# Altium PCB Copy of CAN_ESP.PcbDoc (part 1 of 2)
Units mm, origin at the board's own origin, x right, y up, seen from the top; angles counter-clockwise.
Board outline 74.5 x 32.7 mm, 2 copper layers (Top Layer, Bottom Layer), stack 1.1 mm thick; 81 components, 81 nets, 370 pads, 358 vias.
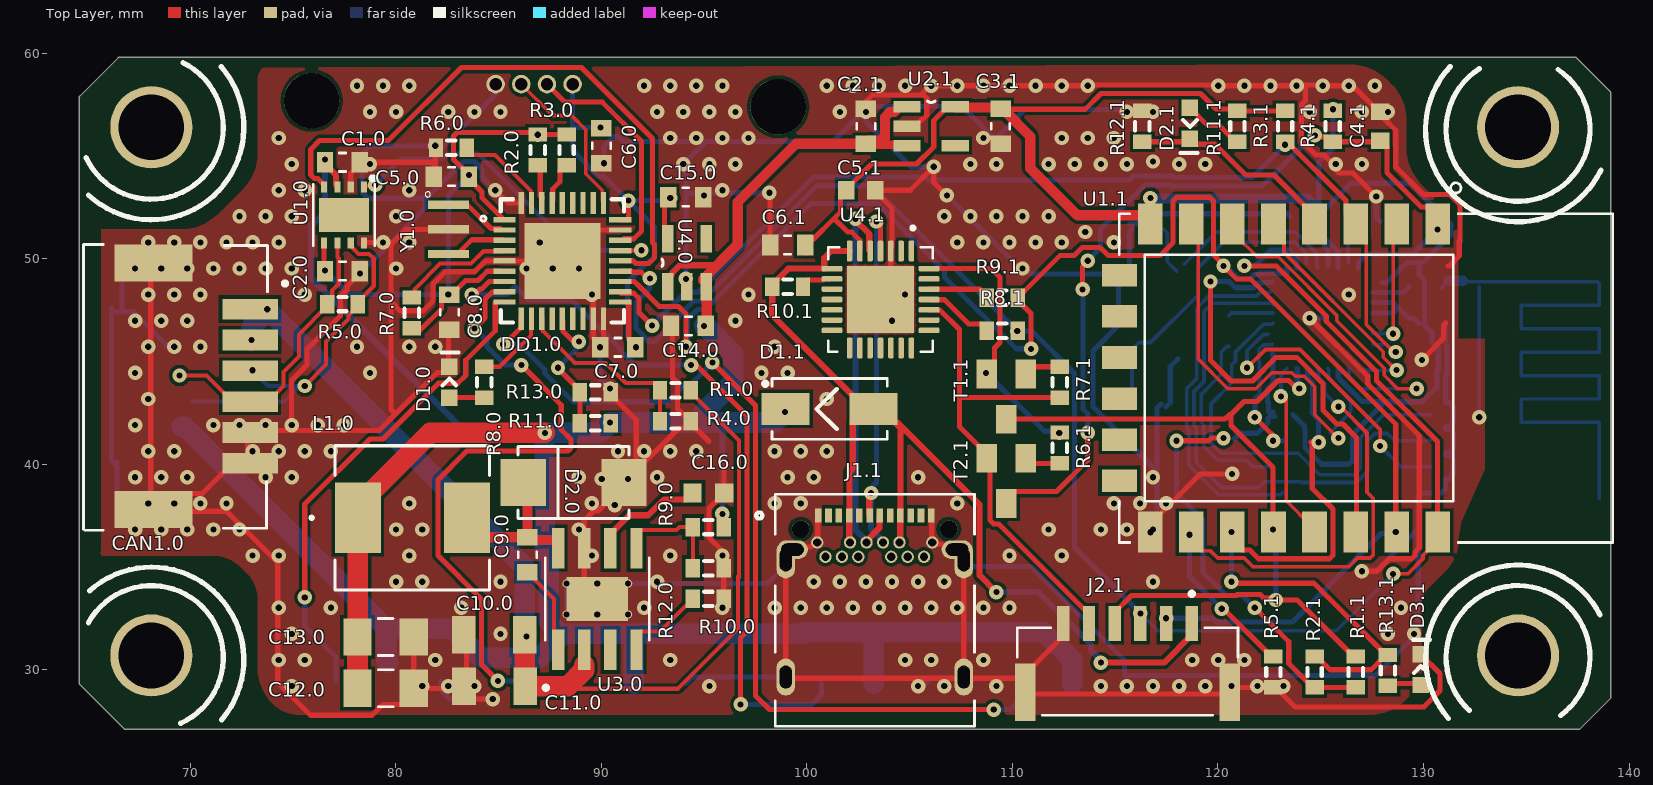
[diagram p0: Top Layer view]
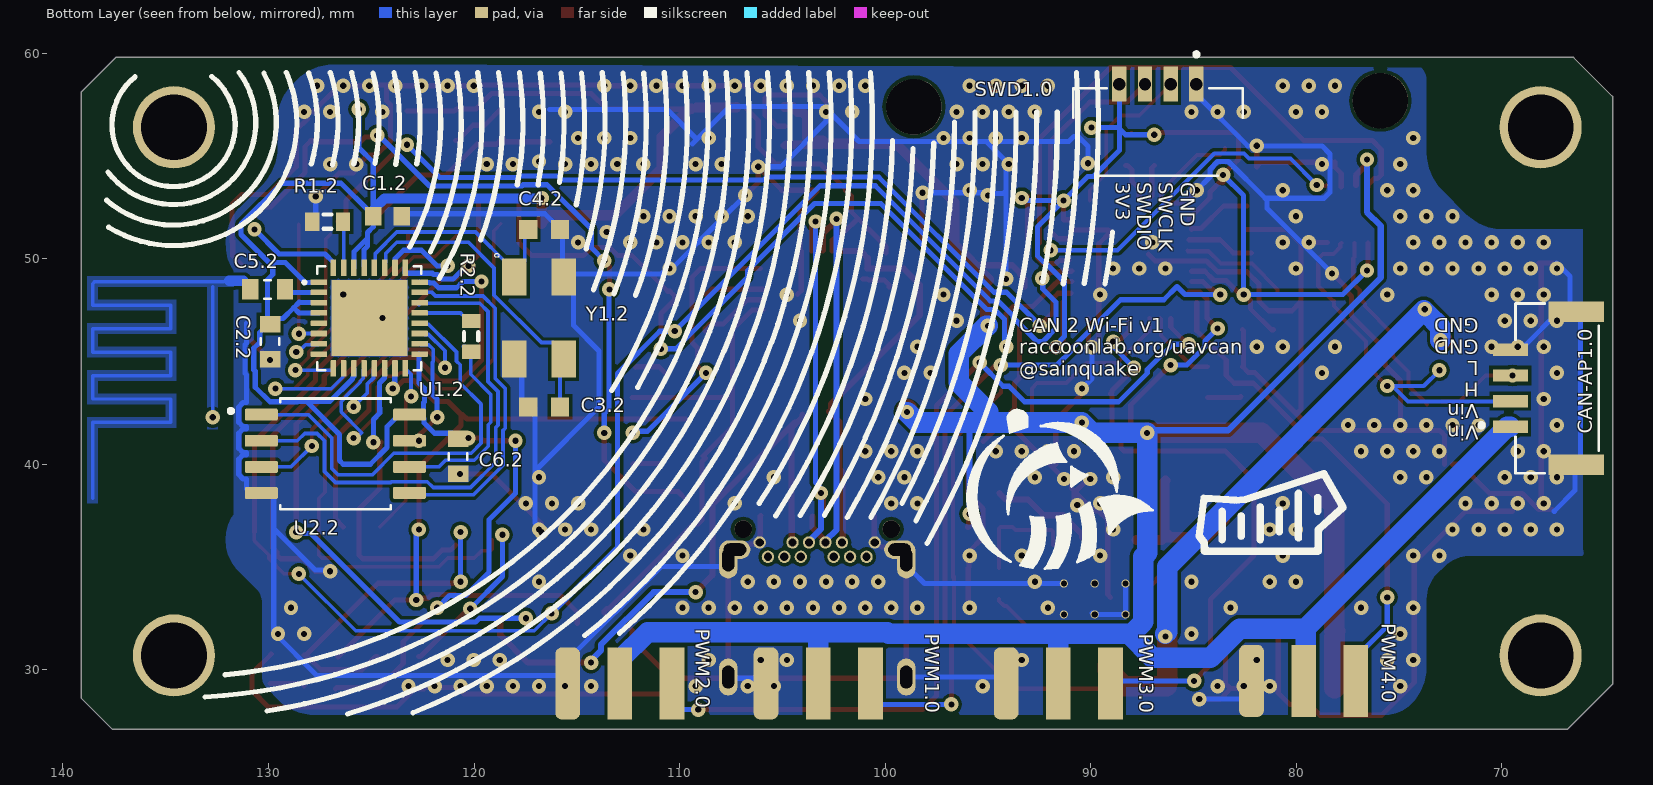
[diagram p1: Bottom Layer view, seen from below]

## Layer stack, top to bottom
Top Solder: solder mask 0.0102, Solder Resist, Dk 3.5
Top Layer: signal copper 0.05
Dielectric 1: dielectric 1, FR-4, Dk 4.8
Bottom Layer: signal copper 0.05
Bottom Solder: solder mask 0.0102, Solder Resist, Dk 3.5

## Board outline
64.6,29.3 66.8,27.1 110.1,27.1 137.59,27.1 139.1,28.61 139.1,58.131 137.431,59.8 66.5,59.8 64.6,57.9

## Design rules (kind name [scope] priority, off if disabled: settings)
BoardOutlineClearance [All] p1: gap=0.25 ignorepadtopadclearanceinfootprint=FALSE
Clearance [All] p1: gap=0.17 ignorepadtopadclearanceinfootprint=FALSE
ComponentClearance [All] p1: gap=0.254 collisioncheckmode=3 verticalgap=2540 showdistances=FALSE
FanoutControl Fanout_SOIC [IsSOIC] p3: bgadir=Out bgaviamode=Closest fanoutstyle=Auto fanoutdirection=Alternating viagrid=0.025 // Fanout_SOIC (Default Rule)
FanoutControl Fanout_Small [(CompPinCount < 5)] p4: bgadir=Out bgaviamode=Closest fanoutstyle=Auto fanoutdirection=OutThenIn viagrid=0.025 // Fanout_Small (Default Rule)
FanoutControl Fanout_Default [All] p5: bgadir=In bgaviamode=Closest fanoutstyle=Auto fanoutdirection=Alternating viagrid=0.025 // Fanout_Default (Default Rule)
HoleSize [All] p1: absolutevalues=TRUE maxlimit=4.5 minlimit=0.3 maxpercent=80.000 minpercent=20.000
HoleToHoleClearance [All] p1: gap=0.4 allowstackedmicrovias=TRUE
MinimumSolderMaskSliver [All] p1: minsoldermaskwidth=0.15
PlaneClearance [All] p1: clearance=0.2
PlaneConnect [All] p1: planeconnectstyle=Relief reliefexpansion=0.5 reliefentries=4 reliefconductorwidth=0.2 reliefairgap=0.25
PolygonConnect PolygonConnect_1 [InNet('GND')] p1: connectstyle=Direct reliefconductorwidth=0.254 reliefentries=4 polygonreliefangle="90 Angle" airgapwidth=0.254
PolygonConnect [All] p2: connectstyle=Relief reliefconductorwidth=0.3 reliefentries=4 polygonreliefangle="90 Angle" airgapwidth=0.16
RoutingCorners [All] p1: cornerstyle=45-Degree minsetback=2.5 maxsetback=2.5
RoutingPriority [All] p1 off: routingpriority=0
RoutingVias [All] p1: holewidth=0.3 width=0.7 viastyle="Through Hole" minholewidth=0.3 minwidth=0.7 maxholewidth=0.8 maxwidth=1.2
SilkToSilkClearance [All] p1: silktosilkclearance=0
SilkToSolderMaskClearance [IsPad] p1: minsilkscreentomaskgap=0 clearancetoexposedcopper=TRUE
SolderMaskExpansion [All] p1: expansion=0.1
Width [All] p1: maxlimit=5 minlimit=0.17 preferedwidth=0.3
17 further rules are at their usual default settings.

## Classes and differential pairs
component class sESP: C1.2 C2.2 C3.2 C4.2 C5.2 C6.2 R1.2 R2.2 U1.2 U2.2 Y1.2
component class ESP8266: C2.1 C3.1 C4.1 C5.1 C6.1 D1.1 D2.1 D3.1 J1.1 J2.1 R1.1 R2.1 R3.1 R4.1 R5.1 R6.1 R7.1 R8.1 R9.1 R10.1 R11.1 R12.1 R13.1 T1.1 T2.1 U1.1 U2.1 U4.1
component class CAN_ESP: C1.0 C2.0 C5.0 C6.0 C7.0 C8 C8.0 C9 C9.0 C10.0 C11.0 C12.0 C13.0 C14.0 C15.0 C16.0 CAN1.0 CAN-AP1.0 D1.0 D2.0 DD1.0 L1.0 PWM2.0 PWM3.0 PWM4.0 R1.0 R2.0 R3.0 R4.0 R5.0 R6.0 R7.0 R8.0 R9.0 R10.0 R11.0 R12.0 R13.0 SWD1.0 U1.0 U3 U3.0 U4.0 Y1.0

## Components (designator, comment, footprint, x,y, rotation, side; value= is the part's Value field where it differs from the comment)
C1.0 "GX035C104MAT2-500" *CAPC1608X90 77.4,54.7 r0 top value=0.1u
C1.2 "Cap Semi" 1608[0603] 124.206,52.07 r180 bottom value=1u
C2.0 "GX035C104MAT2-500" *CAPC1608X90 77.4,49.4 r0 top value=0.1u
C2.1 "GX035C104MAT2-500" *CAPC1608X90 102.87,56.45 r90 top value=0.1u
C2.2 "GX035C104MAT2-500" *CAPC1608X90 129.921,45.974 r270 bottom value=0.1u
C3.1 "GX035C104MAT2-500" *CAPC1608X90 109.422,56.45 r270 top value=0.1u
C3.2 "GRM1885C2A150JA01J" *CAPC1608X90N 116.586,42.799 r0 bottom value=15p
C4.1 "Cap Semi" 1608[0603] 127.892,56.45 r90 top value=1u
C4.2 "GRM1885C2A150JA01J" *CAPC1608X90N 116.586,51.435 r0 bottom value=15p
C5.0 "GX035C104MAT2-500" *CAPC1608X90 82.7,54 r180 top value=0.1u
C5.1 "Cap Semi" 1608[0603] 102.616,53.34 r0 top value=1u
C5.2 "GX035C104MAT2-500" *CAPC1608X90 130.048,48.514 r180 bottom value=5.6p
C6.0 "GX035C104MAT2-500" *CAPC1608X90 90,55.5 r270 top value=0.1u
C6.1 "GX035C104MAT2-500" *CAPC1608X90 99.06,50.673 r180 top value=0.1u
C6.2 "GX035C104MAT2-500" *CAPC1608X90 120.777,40.386 r270 bottom value=0.1u
C7.0 "GX035C104MAT2-500" *CAPC1608X90 90.8,45.7 r180 top value=0.1u
C8.0 "GX035C104MAT2-500" *CAPC1608X90 82.6,47.4 r270 top value=0.1u
C9.0 "GX035C104MAT2-500" *CAPC1608X90 86.4,35.6 r270 top value=0.1u
C10.0 "GRM31CR71H225KA88L" *CAP3216X125N 84.785,31.7 r180 top value=2.2u
C11.0 "GRM31CR71H225KA88L" *CAP3216X125N 84.8,29.2 r180 top value=2.2u
C12.0 "GRM31CR61A476KE15L" *CAPC3216X125N 79.5,29.1 r180 top value=47u
C13.0 "GRM31CR61A476KE15L" *CAPC3216X125N 79.5,31.6 r180 top value=47u
C14.0 "GX035C104MAT2-500" *CAPC1608X90 94.234,46.736 r180 top value=0.1u
C15.0 "GX035C104MAT2-500" *CAPC1608X90 94.1,53 r0 top value=0.1u
C16.0 "GRM188R71C105KA12D" CAPC1608X90N 95.2,38.6 r180 top value=1u
CAN1.0 "502585-0670" MOLEX_502585-0670 72.7,43.8 r270 top
CAN-AP1.0 "SM04B-GHS-TB(LF)(SN)-" JST_SM04B-GHS-TB(LF)(SN)- 67.3,43.7 r90 bottom
D1.0 "0603-LED-BLUE" *LEDM1608X80_LTE-C1906R-14(Primary) 82.6,44 r270 top
D1.1 "SS16" *DIOM5227X250N_SS16(Primary) 101.1,42.7 r0 top
D2.0 "SK56" *SMB_P6SMB62AT3G(Primary) 88.646,39.116 r180 top
D2.1 "0603-LED-BLUE" *LEDM1608X80_LTE-C1906R-14(Primary) 118.632,56.6 r90 top
D3.1 "0603-LED-BLUE" *LEDM1608X80_LTE-C1906R-14(Primary) 129.867,30.014 r270 top
DD1.0 "STM32F103T8" *QFN50P600X600X100-37N 88.1,49.9 r0 top
J1.1 "UJ31-CH-31N-SMT-TR" CUI_UJ31-CH-31N-SMT-TR 100.55,37.51 r0 top
J2.1 "BM06B-GHS-TBT(LF)(SN)(N)" *JST_BM06B-GHS-TBT(LF)(SN)(N)_BM06B-GHS-TBT(LF)(SN)(N)(Primary) 115.6,28.9 r0 top
L1.0 "IHLP2525CZER8R2M01" *IND_IHLP_2525_CZ 80.8,37.4 r0 top value=8.2u
PWM1.0 "PWM1" "HDR Side 3 pin" 103.251,29.337 r180 bottom
PWM2.0 "PWM4" "HDR Side 3 pin" 112.903,29.337 r180 bottom
PWM3.0 "PWM2" "HDR Side 3 pin" 91.567,29.337 r180 bottom
PWM4.0 "PWM3" "HDR Side 3 pin" 79.629,29.464 r180 bottom
R1.0 "Res3" J1-0603 93.6,43.6 r0 top value=180k
R1.1 "Res3" J1-0603 126.7,29.9 r270 top value=10k
R1.2 "RC0603FR-0710KL" J1-0603 127.127,51.816 r0 bottom value=12k
R2.0 "Res3" J1-0603 86.9,55.3 r90 top value=4.7k
R2.1 "Res3" J1-0603 124.7,29.9 r270 top value=10k
R2.2 "Res3" J1-0603 120.142,46.228 r270 bottom value=330
R3.0 "Res3" J1-0603 88.3,55.3 r90 top value=4.7k
R3.1 "Res3" J1-0603 123.262,56.45 r90 top value=10k
R4.0 "Res3" J1-0603 93.6,42.1 r180 top value=10k
R4.1 "Res3" J1-0603 125.577,56.45 r90 top value=10k
R5.0 "Res3" J1-0603 77.4,47.8 r0 top value=120
R5.1 "Res3" J1-0603 122.7,29.9 r270 top value=10k
R6.0 "RC0603FR-0710KL" J1-0603 82.7,55.4 r0 top value=10k
R6.1 "Res3" J1-0603 112.3,40.8 r270 top value=10k
R7.0 "RC0603FR-0710KL" J1-0603 80.772,47.371 r90 top value=10k
R7.1 "Res3" J1-0603 112.3,44 r90 top value=10k
R8.0 "Res3" J1-0603 84.3,44 r270 top value=330
R8.1 "Res3" J1-0603 109.5,46.5 r180 top value=330
R9.0 "Res3" J1-0603 95.2,36.95 r0 top value=56k
R9.1 "Res3" J1-0603 109.5,48.1 r180 top value=330
R10.0 "Res3" J1-0603 95.2,33.45 r180 top value=56k
R10.1 "Res3" J1-0603 99.06,48.641 r180 top value=4.7k
R11.0 "RC0603FR-0710KL" J1-0603 89.7,42 r0 top value=10k
R11.1 "Res3" J1-0603 120.947,56.45 r90 top value=330
R12.0 "RC0603FR-0710KL" J1-0603 95.2,34.95 r180 top value=10k
R12.1 "Res3" J1-0603 116.317,56.45 r90 top value=330
R13.0 "RC0603FR-0710KL" J1-0603 89.7,43.5 r180 top value=10k
R13.1 "Res3" J1-0603 128.27,29.972 r270 top value=330
SWD1.0 "BM04B-GHS-TBT(LF)(SN)(N)" JST_BM04B-GHS-holes 86.725,55.15 r180 bottom
T1.1 "BC847" SOT23 109.7,43.3 r180 top
T2.1 "BC847" SOT23 109.7,39.2 r180 top
U1.0 "TJA1042" SOT782-1 77.475,52.138 r180 top
U1.1 "ESP8266-12E/ESP-12E" XCVR_ESP8266-12E/ESP-12E 123.7,44.2 r270 top
U1.2 "ESP8266EX" QFN50P500X500X80-33N 125.095,47.117 r180 bottom
U2.1 "SPX3819M5-L-3-3/TR" *SOT95P280X145-5N 106.045,56.45 r0 top value=3V3
U2.2 "W25Q16BVSSIG" SOIC127P790X216-8N 126.746,40.513 r180 bottom
U3.0 "LMR16030SDDAR" "*SOIC127P600X170-9N - duplicate" 89.8,33.45 r90 top
U4.0 "SPX3819M5-L-3-3/TR" *SOT95P280X145-5N 94.158,49.809 r90 top value=3V3
U4.1 "CP2102N-A01-GQFN28" QFN50P500X500X80-29N 103.579,48.022 r270 top
Y1.0 "CSTCE8M00G55-R0" *OSC_CSTCE8M00G55-R0 82.55,51.435 r270 top
Y1.2 "ABM3B-8.000MHZ-B2-T" OSCSC500X320X110-4N 116.84,47.117 r180 bottom

## Footprints (in the part's own frame and the unit in brackets; to place one, negate y for a bottom-side part, rotate by r counter-clockwise, add the part's x,y. Pads: shape width x height; smd on the part's side, far side on the other; paste and mask are expansions set on the pad)
1608[0603] [mm] "Chip Capacitor, Body 1.6x0.8mm, IPC High Density"
  rect 0.8x0.9 smd: 1(-0.7,0) 2(0.7,0)
  body extent -0.87,-0.48 0.87,0.48, height 1.3
*CAP3216X125N [mm]
  rect 1.15x1.82 smd: 1(-1.485,0) 2(1.485,0)
  body extent -1.6,-0.8 1.6,0.8, height 1.22
*CAPC1608X90 [mm]
  rect 0.8x1 smd: 1(-0.85,0) 2(0.85,0)
  silkscreen extent -0.15,-0.45 0.15,0.45, body extent -0.8,-0.4 0.8,0.41, height 0.88
*CAPC1608X90N [mm]
  rect 0.89x0.93 smd: 1(-0.77,0) 2(0.77,0)
  body extent -0.8,-0.4 0.8,0.41, height 0.88
*CAPC3216X125N [mm]
  rect 1.38x1.82 smd: 1(-1.369,0) 2(1.369,0)
  silkscreen extent -0.36,-0.9 0.36,0.9, body extent -1.6,-0.87 1.6,0.87, height 1.71
*DIOM5227X250N_SS16(Primary) [mm]
  rect 2.33x1.56 smd: A(2.14,0) C(-2.14,0)
  silkscreen extent -3.22,-1.48 2.8,1.48, body extent -2.61,-1.35 2.61,1.25, height 2.2
*IND_IHLP_2525_CZ [mil]
  rect 88x135 smd: 1(-104.5,0) 2(104.5,0)
  silkscreen extent -196,-138 148,138, body extent -140,-130 140,130, height 118
*JST_BM06B-GHS-TBT(LF)(SN)(N)_BM06B-GHS-TBT(LF)(SN)(N)(Primary) [mm]
  rect 0.6x1.7 smd: 1(3.125,3.35) 2(1.875,3.35) 3(0.625,3.35) 4(-0.625,3.35) 5(-1.875,3.35) 6(-3.125,3.35)
  rect 1x2.8 smd: S1(-4.975,0) S2(4.975,0)
  silkscreen extent -5.38,-1.1 5.38,4.9, body extent -5.38,-1.1 5.38,3.85, height 3.88
*LEDM1608X80_LTE-C1906R-14(Primary) [mm]
  rect 0.8x0.8 smd: A(0.75,0) C(-0.75,0)
  silkscreen extent -1.45,-0.38 0.16,0.45, body extent -0.8,-0.3 0.8,0.3, height 1.15
*OSC_CSTCE8M00G55-R0 [mm]
  rect 0.4x2 smd: 1(-1.2,0) 2(0,0) 3(1.2,0)
  silkscreen extent -1.83,-1.13 -1.57,-0.87, body extent -1.6,-0.65 1.6,0.65, height 1
*QFN50P600X600X100-37N [mm]
  rect 1.08x0.26 smd: 1(-2.815,2) 2(-2.815,1.5) 3(-2.815,1) 4(-2.815,0.5) 5(-2.815,0) 6(-2.815,-0.5) 7(-2.815,-1) 8(-2.815,-1.5) 9(-2.815,-2) 19(2.815,-2) 20(2.815,-1.5) 21(2.815,-1) 22(2.815,-0.5) 23(2.815,0) 24(2.815,0.5) 25(2.815,1) 26(2.815,1.5) 27(2.815,2)
  rect 0.26x1.08 smd: 10(-2,-2.815) 11(-1.5,-2.815) 12(-1,-2.815) 13(-0.5,-2.815) 14(0,-2.815) 15(0.5,-2.815) 16(1,-2.815) 17(1.5,-2.815) 18(2,-2.815) 28(2,2.815) 29(1.5,2.815) 30(1,2.815) 31(0.5,2.815) 32(0,2.815) 33(-0.5,2.815) 34(-1,2.815) 35(-1.5,2.815) 36(-2,2.815)
  rect 3.7x3.7 smd: 37(0,0)
  silkscreen extent -3.97,-3 3,3, body extent -3,-3 3,3, height 1
*SMB_P6SMB62AT3G(Primary) [mm]
  rect 2.2x2.3 smd: A(-2.45,0) C(2.45,0)
  silkscreen extent -2.7,-1.75 2.7,1.75, body extent -2.72,-1.78 2.72,1.78, height 2.49
"*SOIC127P600X170-9N - duplicate" [mm]
  rect 1.97x0.6 smd: 1(-2.475,1.905) 2(-2.475,0.635) 3(-2.475,-0.635) 4(-2.475,-1.905) 5(2.475,-1.905) 6(2.475,-0.635) 7(2.475,0.635) 8(2.475,1.905)
  round 0.4 hole 0.3: 9(-0.75,1.5) 9(-0.75,0) 9(-0.75,-1.5) 9(0.75,1.5) 9(0.75,0) 9(0.75,-1.5)
  rect 2.13x3 smd: 9(0,0)
  silkscreen extent -4.42,-2.52 2,2.6, body extent -3,-2.45 3,2.45, height 1.69
*SOT95P280X145-5N [mil]
  rect 52x22 smd: 1(-46,37) 2(-46,0) 3(-46,-37) 4(46,-37) 5(46,37)
  silkscreen extent -7,46 7,48, body extent -55,-57 55,57, height 57
CAPC1608X90N [mm]
  rect 0.89x0.93 smd: 1(-0.77,0) 2(0.77,0)
  body extent -0.8,-0.4 0.8,0.4, height 0.9
CUI_UJ31-CH-31N-SMT-TR [mm]
  rect 0.32x0.7 smd: A1(0,0) A2(0.5,0) A3(1,0) A4(1.5,0) A5(2,0) A6(2.5,0) A7(3,0) A8(3.5,0) A9(4,0) A10(4.5,0) A11(5,0) A12(5.5,0)
  round 0.6 hole 0.4: B1(5.55,-1.31) B2(5.15,-2.01) B3(4.35,-2.01) B4(3.95,-1.31) B5(3.55,-2.01) B6(3.15,-1.31) B7(2.35,-1.31) B8(1.95,-2.01) B9(1.55,-1.31) B10(1.15,-2.01) B11(0.35,-2.01) B12(-0.05,-1.31)
  oval 1.5x0.9 hole 0.6 slot 1.1 at 0 deg: SH1(-1.255,-1.66) SH2(6.755,-1.66)
  oval 0.9x1.8 hole 0.6 slot 1.1 at 90 deg: SH3(-1.58,-2.16) SH4(7.08,-2.16) SH5(-1.58,-7.86) SH6(7.08,-7.86)
  round 0.85 hole 0.85 unplated: ""(-0.85,-0.66) ""(6.35,-0.66)
  silkscreen extent -3.02,-10.26 7.6,1.04, body extent -2.06,-10.26 7.64,1.04, height 3.17
"HDR Side 3 pin" [mm]
  rrect50% 1.2x3.5 smd: 1(-2.54,0)
  rect 1.2x3.5 smd: 2(0,0) 3(2.54,0)
  body extent -3.61,-10.34 3.61,0.83, height 1.67
J1-0603 [mm] "Chip Resistor, Body 1.6x0.8mm, IPC High Density"
  rect 0.7x0.9 smd: 1(-0.75,0) 2(0.75,0)
  silkscreen extent -0.2,-0.35 0.2,0.35, body extent -0.85,-0.48 0.85,0.48, height 0.9
JST_BM04B-GHS-holes [mm]
  rect 0.7x1.7 / inner rect 0.6x1.7 / far side round 0.9 hole 0.6: 1(1.875,3.35) 2(0.625,3.35) 3(-0.625,3.35) 4(-1.875,3.35)
  silkscreen extent -4.13,-1.1 4.13,4.9, body extent -4.12,-1.02 4.12,3.93, height 4.15
JST_SM04B-GHS-TB(LF)(SN)- [mm]
  rect 0.6x1.7 smd: 1(-1.875,2.275) 2(-0.625,2.275) 3(0.625,2.275) 4(1.875,2.275)
  rect 1x2.7 smd: SH1(-3.725,-0.925) SH2(3.725,-0.925)
  silkscreen extent -4.13,-2.02 4.13,3.77, body extent -4.06,-2.16 4.19,2.69, height 4.35
MOLEX_502585-0670 [mm]
  rect 1x2.7 smd: 1(-3.75,0.2) 2(-2.25,0.2) 3(-0.75,0.2) 4(0.75,0.2) 5(2.25,0.2) 6(3.75,0.2)
  rect 1.8x3.8 smd: P1(-6,-4.5) P2(6,-4.5)
  silkscreen extent -6.9,-7.9 7,2, body extent -6.65,-7.68 6.65,0.82, height 6.41
OSCSC500X320X110-4N [mm]
  rect 1.2x1.8 smd: 1(-1.2,2) 2(-1.2,-2) 3(1.2,-2) 4(1.2,2)
  silkscreen extent -2.15,2.95 -1.95,3.15, body extent -1.6,-1.25 1.6,1.25, height 1
QFN50P500X500X80-29N [mm]
  rrect50% 1.01x0.27 smd: 1(-2.36,1.5) 2(-2.36,1) 3(-2.36,0.5) 4(-2.36,0) 5(-2.36,-0.5) 6(-2.36,-1) 7(-2.36,-1.5) 15(2.36,-1.5) 16(2.36,-1) 17(2.36,-0.5) 18(2.36,0) 19(2.36,0.5) 20(2.36,1) 21(2.36,1.5)
  rrect50% 0.27x1.01 smd: 8(-1.5,-2.36) 9(-1,-2.36) 10(-0.5,-2.36) 11(0,-2.36) 12(0.5,-2.36) 13(1,-2.36) 14(1.5,-2.36) 22(1.5,2.36) 23(1,2.36) 24(0.5,2.36) 25(0,2.36) 26(-0.5,2.36) 27(-1,2.36) 28(-1.5,2.36)
  rect 3.25x3.25 smd paste-3: 29(0,0)
  silkscreen extent -3.55,-2.55 2.55,2.55, body extent -2.5,-2.5 2.5,2.5, height 0.38
QFN50P500X500X80-33N [mm]
  rrect15% 0.8x0.27 smd: 1(-2.45,1.75) 2(-2.45,1.25) 3(-2.45,0.75) 4(-2.45,0.25) 5(-2.45,-0.25) 6(-2.45,-0.75) 7(-2.45,-1.25) 8(-2.45,-1.75) 17(2.45,-1.75) 18(2.45,-1.25) 19(2.45,-0.75) 20(2.45,-0.25) 21(2.45,0.25) 22(2.45,0.75) 23(2.45,1.25) 24(2.45,1.75)
  rrect15% 0.27x0.8 smd: 9(-1.75,-2.45) 10(-1.25,-2.45) 11(-0.75,-2.45) 12(-0.25,-2.45) 13(0.25,-2.45) 14(0.75,-2.45) 15(1.25,-2.45) 16(1.75,-2.45) 25(1.75,2.45) 26(1.25,2.45) 27(0.75,2.45) 28(0.25,2.45) 29(-0.25,2.45) 30(-0.75,2.45) 31(-1.25,2.45) 32(-1.75,2.45)
  rect 3.7x3.7 smd paste-3: 33(0,0)
  silkscreen extent -3.24,-2.53 2.53,2.53, body extent -2.5,-2.5 2.5,2.5, height 0.9
SOIC127P790X216-8N [mm]
  rrect25% 1.61x0.58 smd: 1(-3.605,1.905) 2(-3.605,0.635) 3(-3.605,-0.635) 4(-3.605,-1.905) 5(3.605,-1.905) 6(3.605,-0.635) 7(3.605,0.635) 8(3.605,1.905)
  silkscreen extent -5.19,-2.69 2.69,2.69
SOT23 [mm]
  rect 1x1.4 smd: 1(-0.95,-1.1) 2(0.95,-1.1) 3(0,1.1)
  body extent -0.5,-0.3 0.5,0.3, height 0.45
SOT782-1 [mm]
  rect 0.3x0.525 smd: 1(-0.975,-1.362) 2(-0.325,-1.362) 3(0.325,-1.362) 4(0.975,-1.362) 5(0.975,1.362) 6(0.325,1.362) 7(-0.325,1.362) 8(-0.975,1.362)
  rect 2.45x1.65 smd paste-2: P$9(0,0)
  silkscreen extent -1.5,-1.88 1.5,1.5, body extent -1.52,-1.52 1.52,1.52, height 0.85
XCVR_ESP8266-12E/ESP-12E [mm]
  rect 2x1.2 smd: 1(-7.5,7) 2(-7.5,5) 3(-7.5,3) 4(-7.5,1) 5(-7.5,-1) 6(-7.5,-3) 7(-7.5,-5) 8(-7.5,-7) 15(7.5,-7) 16(7.5,-5) 17(7.5,-3) 18(7.5,-1) 19(7.5,1) 20(7.5,3) 21(7.5,5) 22(7.5,7)
  rect 1.1x1.7 smd: 9(-5,-8.5) 10(-3,-8.5) 11(-1,-8.5) 12(1,-8.5) 13(3,-8.5) 14(5,-8.5)
  silkscreen extent -9.5,-8.5 8,15.5, body extent -8,-8.7 8,15.3, height 3

## Part data
C1.0 C2.0 C2.1 C2.2 C3.1 C5.0 C5.2 C6.0 C6.1 C6.2 C7.0 C8.0 C9.0 C14.0 C15.0: "Cap Thin Film 0.1uf 50v 0603", Package="0603 AVX", MF=AVX, Pacage Metric=1608, SnapEDA_Link=https://www.snapeda.com/parts/GX035C104MAT2-500/AVX/view-part/?ref=snap, Type=SMD
  C1.0 C2.0 C2.2 C5.0 C5.2 C6.0 C6.1 C6.2 C7.0 C8.0 C9.0: MP="GX035C104MAT2-500 or CL10B104JB8NNNC"
  C2.1 C3.1 C14.0 C15.0: MP=GX035C104MAT2-500
C1.2 C4.1 C5.1: "Capacitor (Semiconductor SIM Model)", LatestRevisionDate=29-May-2009, LatestRevisionNote="IPC-7351 Footprint Added.", PackageDescription="Chip Capacitor", PackageReference=C1206, Published=8-Jun-2000, Publisher="Altium Limited"
C10.0 C11.0: "1206 2.2 uF 50 V ±10% Tolerance X7R SMT Multilayer Ceramic Capacitor", Package="1206 Murata", MF="Murata Electronics", MP=GRM31CR71H225KA88L, SnapEDA_Link=https://www.snapeda.com/parts/GRM31CR71H225KA88L/Murata%20Electronics%20North%20America/view-part/?ref=snap, Type=SMD
C12.0 C13.0: "Multilayer Ceramic Capacitor, GRM Series, 47 - F, - 10%, X5R, 10 V, 1206 [3216 Metric]", Package="1206 Murata Electronics", MF="Murata Electronics", MP=GRM31CR61A476KE15L, SnapEDA_Link=https://www.snapeda.com/parts/GRM31CR61A476KE15L/Murata%20Electronics%20North%20America/view-part/?ref=snap, Type=SMD
C16.0: "SMD Capacitor X7R(EIA) with Capacitance: 1.0uF Tol. 10%. Rated Voltage: 16Vdc", Package=0603, ChipDip_Link=https://www.chipdip.ru/product/grm188r71c105ka12d, HelpURL=https://static.chipdip.ru/lib/428/DOC005428493.pdf, MF="Murata Electronics", MP=GRM188R71C105KA12D, Pacage Metric=1608, SnapEDA_Link=https://www.snapeda.com/parts/GRM188R71C105KA12D/Murata%20Electronics%20North%20America/view-part/228340/?ref=snap, Type=SMD
CAN1.0: "1.50mm Pitch, CLIK-Mate PCB Receptacle, Single Row, Surface Mount, Right-Angle, Tin Plating, Positive Lock, 6 Circuits, Natural", Package=None, MF=Molex, MP=502585-0670, SnapEDA_Link=https://www.snapeda.com/parts/502494-0670/Molex/view-part/?ref=snap, System=Connector, Type=SMD
CAN-AP1.0: "Connector Header Surface Mount, Right Angle 4 position 0.049 _1.25mm_", Package=None, ChipDip_Link=https://www.chipdip.ru/product/sm04b-ghs-tb-lf-sn-gh-1.25mm-header-side-ent, HelpURL=http://www.farnell.com/datasheets/2082975.pdf, MF="JST Sales", MP=SM04B-GHS-TB(LF)(SN), SnapEDA_Link=https://www.snapeda.com/parts/SM04B-GHS-TB%28LF%29%28SN%29-/JST%20Sales%20America%20Inc./view-part/2759740/?ref=snap, System=Connector
D1.0 D2.1 D3.1: library part LTE-C1906R-14, "LED IrLED Chip LED 2-Pin SMD T/R", Package="0603 Lite-On", MP=0603-LED-BLUE, SnapEDA_Link=https://www.snapeda.com/parts/LTE-C1906R-14/Lite-On%20Inc./view-part/?ref=snap, Type=SMD
D1.1: "Diode Schottky 60V 1A Surface Mount SMA", Package=SMA-2, ChipDip_Link=https://www.chipdip.ru/product/ss16, MP=SS16, SnapEDA_Link=https://www.snapeda.com/parts/SS16/ON%20Semiconductor/view-part/?ref=search&t=ss16, Type=SMD
D2.0: "Диод Шоттки 5А 60В [SMB / DO-214AA]", Package="DO-214 Littelfuse", ChipDip_Link=https://www.chipdip.ru/product/sk56, MF="Littelfuse Inc.", MP=SK56, SnapEDA_Link=https://www.snapeda.com/parts/P6SMB62AT3G/Littelfuse%20Inc./view-part/?ref=snap, Type=SMD
DD1.0: "STM32F103T8U6, Микроконтроллер 32BIT ARM 64K FLASH [VFQFPN-36]", Package=VFQFPN-36, ChipDip_Link=https://www.chipdip.ru/product/stm32f103t8u6-2, HelpURL=http://www.st.com/stonline/products/literature/ds/13587.pdf, MF=STM, MP=STM32F103T8U6, SnapEDA_Link=https://www.snapeda.com/parts/STM32F103T8U6TR/STMicroelectronics/view-part/?ref=search&t=STM32F103T8U6, Type=SMD
J1.1: "Type C, USB 3.1 Gen 2, 5 A, Right Angle, Surface Mount _SMT_, USB Receptacle", Package=None, Availability=Unavailable, ChipDip_Link=https://www.chipdip.ru/product1/8002862225, HelpURL=https://www.chipdip.ru/product1/8002862225, MF="CUI Devices", MP=UJ31-CH-31N-SMT-TR, Price=None, SnapEDA_Link=https://www.snapeda.com/parts/UJ31-CH-31N-SMT-TR/CUI%20Devices/view-part/2776725/?ref=snap
J2.1: "Conn Header Gh Top 6pos 1.25mm", Package=None, Availability=Unavailable, MF="JST Sales", MP=BM06B-GHS-TBT_LF__SN__N_, Price=None, SnapEDA_Link=https://www.snapeda.com/parts/BM06B-GHS-TBT%28LF%29%28SN%29%28N%29/JST%20Sales%20America%20Inc./view-part/?ref=snap
L1.0: "IHLP2525CZER8R2M01, 8.2uH 4A 20% Low Profile High Current SMT Inductor, Индуктивность", Package="Nonstandard Vishay", Availability=Unavailable, MF="Vishay Dale", MP=IHLP2525CZER8R2M01, Price=None, SnapEDA_Link=https://www.snapeda.com/parts/IHLP2525CZER100M01/Vishay%20Dale/view-part/?ref=snap
PWM1.0 PWM2.0 PWM3.0 PWM4.0: library part "Header 3", "Header, 4-Pin", ChipDip_Link=https://www.chipdip.ru/product/pls-3, HelpURL=https://static.chipdip.ru/lib/227/DOC000227157.pdf, MF="Connfly electronic (Zhenqin)", MP="PLS-3 (DS1021-1x3)", System=Connector, Type=SMD
R1.0 R1.1 R2.0 R2.1 R2.2 R3.0 R3.1 R4.0 R4.1 R5.1 R6.1 R7.1 R8.0 R8.1 R9.0 R9.1 R10.0 R10.1 R11.1 R12.1 R13.1: "Resistor", Package=R0603, Pacage Metric=1608, Type=SMD
  R1.0: MP="180K 1% 0603"
  R1.1 R2.1 R3.1 R4.0 R4.1 R5.1 R6.1 R7.1: ChipDip_Link=https://www.chipdip.ru/product0/9000079736, HelpURL=https://www.chipdip.ru/product0/9000079736, MP="10K 1% 0603"
  R2.0 R3.0 R10.1: ChipDip_Link=https://www.chipdip.ru/product0/9000079736, HelpURL=https://www.chipdip.ru/product0/9000079736, MP="4.7K 1% 0603"
  R2.2 R8.0 R8.1 R9.1 R11.1 R12.1 R13.1: ChipDip_Link=https://www.chipdip.ru/product0/9000079628, HelpURL=https://www.chipdip.ru/product0/9000079628, MP=RC0603FR-07330RL
  R9.0 R10.0: ChipDip_Link=https://www.chipdip.ru/product0/9000079754, HelpURL=https://www.chipdip.ru/product0/9000079754, MP=RC0603FR-0756KL
R1.2 R6.0 R7.0 R11.0 R12.0 R13.0: "10 kOhms 1 0.1 W 1 10 W Chip Resistor 0603 1608 Metric Thick Film", Package=R0603, ChipDip_Link=https://www.chipdip.ru/product0/9000079736, HelpURL=https://www.chipdip.ru/product0/9000079736, MF="Yageo or NXP", MP="10K 1% 0603", Pacage Metric=1608, SnapEDA_Link=https://www.snapeda.com/parts/RC0603FR-0710KL/Yageo/view-part/?ref=dk&t=RC0603FR-0710KL&con_ref=None, Type=SMD
R5.0: "120 Ohms 1 0.1 W 1 10 W Chip Resistor 0603 1608 Metric Thick Film", Package=R0603, ChipDip_Link=https://www.chipdip.ru/product0/9000079618, HelpURL=https://www.chipdip.ru/product0/9000079618, MP=RC0603FR-07120RL, Pacage Metric=1608, Type=SMD
SWD1.0: "Conn Shrouded Header HDR 4 POS 1.25mm Solder ST SMD Reel", Package=None, Instructions="Do not install", MF="JST Sales", MP=SM04B-GHS-TB(LF)(SN), SnapEDA_Link=https://www.snapeda.com/parts/BM04B-GHS-TBT%28LF%29%28SN%29%28N%29/JST%20Sales%20America%20Inc./view-part/?ref=snap, System=Connector, Type=SMD
T1.1 T2.1: "<b>NPN TRANSISTOR</b>", Package=None, Availability=Unavailable, MF="{'manufacturer': u'Rectron'}", MP=BC847, Price=None
U1.0: "1/1 Transceiver Half CANbus 8-SO", Package="VDFN-8 NXP USA", ChipDip_Link=https://www.chipdip.ru/product1/8002840332, HelpURL=https://static.chipdip.ru/lib/583/DOC001583059.pdf, MF="NXP USA", MP=TJA1042, SnapEDA_Link=https://www.snapeda.com/parts/TJA1042/NXP%20USA%20Inc./view-part/900919/?ref=snap, Type=SMD
U1.1: "ESP-12E WiFi Module", Package=None, Availability=Unavailable, MF="{'manufacturer': u'AI-Thinker'}", MP=ESP8266-12E/ESP-12E, Price=None
U1.2: "IC RF TxRx + MCU WiFi 802.11b/g/n 2.4GHz 32-VFQFN Exposed Pad", Package="VFQFN-32 Espressif Systems", Availability=Warning, Check_prices=https://www.snapeda.com/parts/ESP8266EX/Espressif%20Systems/view-part/555861/?ref=eda, MF="Espressif Systems", MP=ESP8266EX, Price=None, Purchase-URL=https://pricing.snapeda.com/search/part/ESP8266EX/?ref=eda, SnapEDA_Link=https://www.snapeda.com/parts/ESP8266EX/Espressif%20Systems/view-part/555861/?ref=snap
U2.1 U4.0: library part SPX3819M5-L, "Low Dropout Voltage Regulator, Adjustable 0.5A, ±1%, 2.5 to 16 Vin, 5-Pin SOT-23", Package="SOT-23-5 Exar", ChipDip_Link=https://www.chipdip.ru/product1/8003455237, HelpURL=http://www.farnell.com/datasheets/2614478.pdf, MF="MaxLinear, Inc.", MP=SPX3819M5-L-3-3/TR, SnapEDA_Link=https://www.snapeda.com/parts/SPX3819M5-L/MaxLinear%2C%20Inc./view-part/?ref=snap, Type=SMD
U2.2: "Flash, pin, soic, flash, Memory, Semiconductors and Actives, serial, ic", Package=None, Availability=Unavailable, MF="{'manufacturer': u'Winbond'}", MP=W25Q16BVSSIG, Price=None
U3.0: "LMR16030SDDAR, Conv DC-DC 4.3V to 60V Step Down Single-Out 1V to 50V 3A Automotive 8-Pin HSOP EP T/R", Package="PowerSOIC-8 Texas Instruments", ChipDip_Link=https://www.chipdip.ru/product1/8003448566, HelpURL=https://www.ti.com/lit/ds/symlink/lmr16030.pdf, MF="Texas Instruments", MP=LMR16030SDDAR, SnapEDA_Link=https://www.snapeda.com/parts/TPS54560DDA/Texas%20Instruments/view-part/?ref=snap, Type=SMD
U4.1: "Ic Bridge Usb To Uart 28qfn", Package=None, Availability=Unavailable, MF="{'manufacturer': u'Silicon Labs'}", MP=CP2102N-A01-GQFN28, Price=None
Y1.0: "Ceramic Resonator 8MHz ??0.5% _Tol_ ??0.2% _Stability_ 33pF 40Ohm 3-Pin CSMD T/R", Package="SMD-3 Murata", ChipDip_Link=https://www.chipdip.ru/product1/8001783721, HelpURL=https://www.murata.com/en-eu/api/pdfdownloadapi?cate=&partno=CSTCE8M00G55-R0, MF=Murata, MP=CSTCE8M00G55-R0, SnapEDA_Link=https://www.snapeda.com/parts/CSTCE8M00G55-R0/Murata%20Electronics%20North%20America/view-part/?ref=snap, Type=SMD
Y1.2: "Crystal 8MHz ±20ppm (Tol) ±50ppm (Stability) 18pF FUND 200Ohm 4-Pin CSMD T/R", Package=None, Availability=Unavailable, MF="{'manufacturer': u'Abracon'}", MP=ABM3B-8.000MHZ-B2-T, Price=None
C3.2 C4.2: ChipDip_Link=https://www.chipdip.ru/product/grm1885c2a150j, HelpURL=https://static.chipdip.ru/lib/428/DOC005428493.pdf, SnapEDA_Link=https://www.snapeda.com/parts/GRM1885C2A150JA01J/Murata/view-part/1812122/?ref=snap

## Free pads (board coordinates)
  round 4 hole 3.2: ""(68.1,30.7) ""(68.1,56.4) ""(134.6,30.7) ""(134.6,56.4)
  round 2.7 hole 2.7: ""(75.9,57.7) ""(98.6,57.4)

## Via types
v1: diameter 0.7, hole 0.3, Top Layer to Bottom Layer, tented both sides, 358 vias

## Nets (pads, with @x,y where several pads share a name; then routed paths per layer and width w, separated by ;. In a path a pad name is that pad's centre, name@x,y a point inside that pad or via, vN(x,y) a via of type N, cw(c..) or ccw(c..) an arc to the next point about the centre after c; other vN are vias at no path point)
3.3: C2.0.1 C5.0.1 C6.0.1 C7.0.1 C8.0.1 C15.0.1 DD1.0.1 DD1.0.6 DD1.0.19 DD1.0.27 R2.0.2 R3.0.2 R7.0.1 SWD1.0.4 U1.0.5 U4.0.5 | length 56.1
  Top Layer w0.25: C2.0.1@76.454,49.403 76.5,49.449 U1.0.5@76.5,50.775 ; C2.0.1@76.55,49.4 v1(76.55,49.434) ; R7.0.1@81.1,46.55 81.2,46.55 82.225,47.575 82.225,47.975 C8.0.1@82.383,48.133 ; C8.0.1@82.6,48.25 82.7,48.25 83.4,48.95 83.999,48.95 84.444,49.395 85.082,49.395 DD1.0.6@85.087,49.4 ; C5.0.1@83.55,54 v1(83.55,54.086) ; C5.0.1@83.557,54.093 82.999,54.651 82.982,54.651 82.805,54.828 82.805,55.972 82.978,56.145 86.805,56.145 R2.0.2@86.9,56.05 87.975,56.05 R3.0.2@88.011,56.086 ; C5.0.1@83.566,53.721 83.566,53.884 C5.0.1@83.566,54 ; C5.0.1@83.647,53.802 84.191,53.259 84.191,52.969 DD1.0.1@85.217,51.943 ; DD1.0.27@90.915,51.9 91.308,51.9 91.313,51.905 v1(91.313,52.832) ; DD1.0.19@91.325,47.9 91.33,47.895 91.33,46.084 91.694,45.72 C7.0.1@91.694,45.593 ; C7.0.1@91.65,45.7 v1(91.674,45.7) ; U4.0.5@93.06,50.968 C15.0.1@93.06,53.055
  Bottom Layer w0.25: v1(76.55,49.434) 77.724,48.26 v1(82.55,48.26) 82.55,53.086 v1(83.55,54.086) ; v1(86.9,56.039) 88.297,56.039 88.6,56.342 ; SWD1.0.4@88.6,58.5 88.6,56.342 ; v1(89.962,56.388) 88.646,56.388 88.6,56.342 ; v1@91.435,52.832 93.218,52.832 v1(93.345,52.959) ; v1(91.674,45.7) 91.674,45.822 91.264,46.232 91.264,48.869 92.09,49.696 92.137,49.696 92.589,50.148 92.589,51.556 90.14,54.005 89.863,54.005 88.6,55.268 88.6,56.342
3.3ESP: C1.2.1 C2.2.1 C3.1.1 C5.1.1 C6.1.1 C6.2.1 R1.1.2 R2.1.2 R3.1.2 R4.1.2 R11.1.2 U1.1.8 U1.2.1 U1.2.3 U1.2.4 U1.2.11 U1.2.17 U1.2.29 U1.2.30 U2.1.5 U2.2.8 U4.1.6 | length 121.5
  Top Layer w0.25: C6.1.1@99.949,50.292 99.949,50.599 101.641,52.291 101.641,53.065 C5.1.1@101.916,53.34 101.916,53.39 103.136,54.61 105.333,54.61 106.169,55.445 106.169,56.726 106.807,57.364 U2.1.5@106.807,57.404 ; 101.346,51.943 101.991,51.298 102.181,51.298 102.569,50.91 102.569,50.392 U4.1.6@102.579,50.382 ; C3.1.1@109.545,57.277 113.538,57.277 114.306,58.045 119.154,58.045 119.902,57.297 120.85,57.297 R11.1.2@120.947,57.2 R3.1.2@123.262,57.2 ; v1(117.983,41.148) 119.544,41.148 119.671,41.275 v1(120.269,41.275) ; v1(121.793,33.02) 123.445,31.368 123.445,30.305 124.6,29.15 R2.1.2@124.7,29.15 126.679,29.15 R1.1.2@126.746,29.083
  Top Layer w0.5: U2.1.5@107.213,57.39 107.243,57.36 C3.1.1@109.176,57.36 ; C3.1.1@109.422,57.3 109.522,57.3 109.545,57.277 110.867,55.955 110.867,54.414 113.161,52.12 116.35,52.12 116.7,51.77 U1.1.8@116.7,51.7 ; U1.1.8@116.7,51.816 116.707,51.822 116.707,52.953 v1(116.713,52.959)
  Bottom Layer w0.25: v1(117.983,41.148) 117.983,38.596 119.263,37.316 119.263,34.765 120.408,33.62 121.193,33.62 v1(121.793,33.02) ; C6.2.1@120.777,41.236 121.052,41.511 121.925,41.511 122.438,42.024 122.438,42.23 122.528,42.32 U2.2.8@122.78,42.32 ; U1.2.17@122.645,45.367 122.662,45.367 122.672,45.357 122.672,43.955 122.418,43.701 122.418,43.04 122.461,42.997 122.461,42.583 122.499,42.545 U2.2.8@122.682,42.545 ; U2.2.8@123.656,42.418 124.241,41.833 124.241,40.815 125.051,40.005 126.365,40.005 126.544,40.184 126.544,41.454 128.143,43.053 ; 124.906,51.562 125.181,51.287 125.181,50.617 125.345,50.453 125.345,49.661 U1.2.29@125.349,49.657 ; C1.2.1@124.906,52.07 124.906,54.698 125.603,55.395 v1(125.603,57.277) ; C1.2.1@125.11,52.324 126.466,53.68 129.35,53.68 131.341,51.689 131.341,51.181 129.981,49.821 129.794,49.821 ; 125.222,50.927 125.26,50.927 125.845,50.342 U1.2.30@125.845,49.567 ; U1.2.11@125.845,44.667 125.855,44.657 125.855,44.267 125.915,44.207 125.915,44.157 127.019,43.053 128.143,43.053 ; U1.2.4@127.545,47.367 128.52,47.367 128.774,47.621 ; U1.2.3@127.545,47.867 128.512,47.867 128.52,47.875 ; 127.995,48.857 128.224,48.857 129.188,49.821 129.794,49.821 ; 128.503,47.892 128.52,47.875 ; C2.2.1@129.794,46.851 129.546,47.099 129.296,47.099 128.774,47.621 ; C2.2.1@130.048,46.797 130.429,46.416 130.429,45.933 130.716,45.646 130.716,44.602 130.644,44.53 130.644,43.753 129.934,43.043 128.599,43.043 128.589,43.053 128.143,43.053 ; C2.2.1@130.048,46.863 130.048,48.981 129.794,49.235 129.794,49.821 ; 128.52,47.875 128.774,47.621
  Bottom Layer w0.5: v1(116.713,52.959) 116.732,52.94 124.352,52.94 C1.2.1@124.841,52.451
5V: C1.0.1 C2.1.1 C12.0.2 C13.0.2 C14.0.1 CAN-AP1.0.1 D1.1.C L1.0.1 PWM1.0.2 PWM2.0.2 PWM3.0.2 PWM4.0.2 R9.0.2 R11.0.2 U1.0.3 U2.1.1 U2.1.3 U4.0.1 U4.0.3 | length 152.2
  Top Layer w0.3: v1(76.55,54.833) C1.0.1@76.55,54.7 76.55,54.6 77.089,54.061 U1.0.3@77.089,53.594 ; U4.0.1@93.218,48.641 93.218,49.022 93.437,49.241 93.437,49.313 93.816,49.692 95.469,49.692 95.504,49.657 ; v1(95.885,37.592) 95.918,37.559 95.918,36.982 R9.0.2@95.95,36.95
  Top Layer w0.4: C2.1.1@102.997,55.626 103.068,55.555 104.832,55.555 U2.1.3@104.877,55.51
  Top Layer w0.5: U4.0.3@94.94,48.951 94.94,49.013 96.634,50.706 96.634,52.765 99.469,55.6 C2.1.1@102.844,55.6 ; v1(94.996,46.736) 95.123,46.863 U4.0.3@95.123,48.39 ; C2.1.1@102.87,55.6 103.02,55.75 103.573,55.75 103.716,55.893 103.796,55.893 103.796,56.903 104.042,57.149 104.255,57.149 104.496,57.39 U2.1.1@104.877,57.39
  Top Layer w1: C13.0.2@78.105,31.877 78.138,31.91 78.138,37.393 L1.0.1@78.146,37.4 78.146,37.997 81.678,41.529 v1(87.249,41.529) ; C12.0.2@78.131,29.109 C13.0.2@78.131,31.6 ; v1(98.933,42.545) D1.1.C@98.933,42.672
  Bottom Layer w0.3: v1(76.55,54.833) 76.55,52.276 75.88,51.606 75.88,49.088 83.312,41.656 87.014,41.656 87.064,41.606 87.072,41.606 v1@87.122,41.656 ; v1(95.885,37.592) 95.885,41.783
  Bottom Layer w1: CAN-AP1.0.1@69.575,41.825 69.725,41.825 79.529,32.021 79.529,30.453 PWM4.0.2@79.629,30.353 ; 79.756,32.004 82.751,32.004 84.175,30.58 86.972,30.58 88.149,31.757 99.811,31.757 99.891,31.837 111.553,31.837 112.903,30.487 PWM2.0.2@112.903,29.337 ; 87.757,32.004 87.43,32.331 87.43,35.51 87.249,35.691 v1(87.249,41.529) 89.916,41.529 v1(90.424,42.037) 94.869,42.037 ; PWM3.0.2@91.567,29.337 91.567,31.75 ; v1(94.996,46.736) 95.065,46.736 96.42,45.38 96.42,43.986 94.985,42.551 94.985,42.153 94.869,42.037 ; v1(98.933,42.545) 98.425,42.037 94.869,42.037 ; PWM1.0.2@103.251,29.337 103.251,31.75
ADC: U1.1.2 U1.2.6 | length 6.3
  Top Layer w0.18: v1(128.524,46.355) U1.1.2@128.524,51.689
  Bottom Layer w0.18: U1.2.6@127.545,46.367 128.512,46.367 v1(128.524,46.355)
ADC_5V: DD1.0.14 R11.0.1 R13.0.2 | length 6.3
  Top Layer w0.25: v1(87.884,44.704) 87.884,44.666 88.95,43.6 R13.0.2@88.95,43.5 ; DD1.0.14@88.138,46.99 88.138,46.46 88.538,46.06 88.814,46.06 v1(88.9,45.974) ; R11.0.1@88.95,42 88.95,43.357 R13.0.2@89.027,43.434
  Bottom Layer w0.25: v1(87.884,44.704) 88.923,45.743 88.923,45.951 v1(88.9,45.974)
ADC_VIN: DD1.0.12 R1.0.1 R4.0.2 | length 9
  Top Layer w0.2: DD1.0.12@87.122,47.117 87.13,47.109 87.13,46.503 88.703,44.93 90.202,44.93 91.182,43.95 92.6,43.95 92.85,43.7 R1.0.1@92.85,43.6 92.85,42.177 R4.0.2@92.837,42.164
ANT: C5.2.1 | length 47.5
  Bottom Layer w0.17: C5.2.1@130.898,48.514 130.898,48.614 C5.2.1@131.213,48.929 ; 132.207,48.895 138.457,48.895 138.557,48.795 138.557,47.752 134.747,47.752 134.747,46.609 138.557,46.609 138.557,45.466 134.747,45.466 134.747,44.323 138.557,44.323 138.557,43.18 134.747,43.18 134.747,42.037 138.557,42.037 138.557,38.354 ; 132.715,42.037 132.715,48.641
  Bottom Layer w0.5: C5.2.1@131.213,48.929 131.919,48.929
BOOT0: DD1.0.35 R6.0.2 | length 4.5
  Top Layer w0.2: R6.0.2@83.45,55.4 83.45,55.3 83.7,55.05 84.817,55.05 86.57,53.297 86.57,52.876 DD1.0.35@86.614,52.832
CAN_H: CAN1.0.3 CAN-AP1.0.2 R5.0.2 U1.0.7 | length 17.4
  Top Layer w0.2: v1(75.565,43.815) 76.606,44.856 76.606,45.98 77.69,47.064 77.69,47.24 78.15,47.7 R5.0.2@78.15,47.8 ; U1.0.7@77.8,50.775 77.85,50.725 77.85,50.581 78.188,50.243 78.689,50.243 78.92,50.012 78.92,48.67 78.195,47.945 R5.0.2@78.15,47.945
  Bottom Layer w0.2: CAN-AP1.0.2@70.104,43.053 74.549,43.053 v1@75.311,43.815 ; v1(73.025,44.577) 73.787,43.815 v1@75.311,43.815 ; v1(75.565,43.815) v1@75.311,43.815
CAN_L: CAN1.0.4 CAN-AP1.0.3 R5.0.1 U1.0.6 | length 13.2
  Top Layer w0.2: v1(69.469,44.323) 70.777,44.323 72.05,43.05 CAN1.0.4@72.9,43.05 ; CAN1.0.4@73.626,42.926 74.52,43.82 74.52,44.495 75.275,45.25 75.275,46.325 76.65,47.7 R5.0.1@76.65,47.8 ; R5.0.1@76.708,47.879 76.9,48.071 76.9,48.468 77.22,48.788 77.22,50.012 77.15,50.082 U1.0.6@77.15,50.775
CAN_RXD: DD1.0.23 U1.0.4 | length 29.5
  Top Layer w0.25: U1.0.4@76.5,53.5 76.5,53.613 76.211,53.901 76.032,53.901 75.855,54.078 75.855,55.322 76.286,55.753 79.629,55.753 83.185,59.309 89.027,59.309 92.486,55.85 92.486,50.786 92.589,50.682 92.589,50.057 92.302,49.77 91.677,49.77 91.536,49.911 DD1.0.23@91.059,49.911
CAN_TXD: DD1.0.24 U1.0.1 | length 17.1
  Top Layer w0.2: U1.0.1@78.486,53.594 78.486,53.561 78.5,53.547 78.947,53.547 v1(78.994,53.594) ; DD1.0.24@90.915,50.4 91.929,50.4 v1(91.944,50.415)
  Bottom Layer w0.2: v1(78.994,53.594) 80.279,54.879 82.288,54.879 82.535,55.126 83.981,55.126 88.688,50.419 91.94,50.419 v1(91.944,50.415)
CS0: U1.1.9
D+: J1.1.A6 J1.1.B6 U4.1.4 | length 18.5
  Top Layer w0.25: v1(103.378,51.816) 103.579,51.615 U4.1.4@103.579,50.382
  Top Layer w0.3: J1.1.A6@103.03,37.592 103.03,38.514 v1(103.124,38.608)
  Bottom Layer w0.25: v1@102.997,38.735 103.002,38.735 103.378,39.111 v1(103.378,51.816)
  Bottom Layer w0.3: v1(103.124,38.608) 103.124,36.853 103.7,36.277 J1.1.B6@103.7,36.2
D-: J1.1.A7 J1.1.B7 U4.1.5 | length 19.3
  Top Layer w0.3: v1(102.362,51.943) 102.362,51.884 103.034,51.212 U4.1.5@103.034,50.419 ; J1.1.B7@102.9,36.2 102.9,36.277 103.53,36.907 J1.1.A7@103.53,37.465
  Bottom Layer w0.3: v1(102.362,51.943) 102.362,36.819 102.9,36.281 J1.1.B7@102.9,36.2
EN: DD1.0.20 R3.1.1 U1.1.3 U1.2.7 | length 50.4
  Top Layer w0.18: U1.1.3@127,51.181 127.21,50.971 127.21,46.806 128.55,45.466 v1(128.651,45.466)
  Top Layer w0.25: DD1.0.20@90.955,48.325 91.577,48.325 91.821,48.081 91.821,47.394 v1(92.464,46.751) ; v1(123.262,55.554) R3.1.1@123.262,55.7 123.362,55.7 126.225,52.837 126.225,52.21 U1.1.3@126.619,51.816
  Bottom Layer w0.18: U1.2.7@127.545,45.867 127.59,45.822 128.194,45.822 128.55,45.466 v1(128.651,45.466)
  Bottom Layer w0.25: v1(92.464,46.751) 94.09,48.377 94.704,48.377 100.302,53.975 105.768,53.975 105.905,53.838 115.71,53.838 115.896,54.024 117.784,54.024 117.843,53.965 121.673,53.965 v1(123.262,55.554)
FB: R9.0.1 R12.0.2 U3.0.5 | length 5.3
  Top Layer w0.2: U3.0.5@91.821,36.068 91.821,36.726 91.905,36.81 93.66,36.81 93.8,36.95 R9.0.1@94.368,36.95 ; R9.0.1@94.361,36.957 R9.0.1@94.368,36.95 ; R12.0.2@94.45,34.95 94.45,36.868 R9.0.1@94.368,36.95